# KiCad board panel_mousebites.kicad_pcb
title: Current Sense Amplifier; date: 2023-02-27; rev: A; company: Designed by Tobias N.; note: - Current Sense Amplifier -
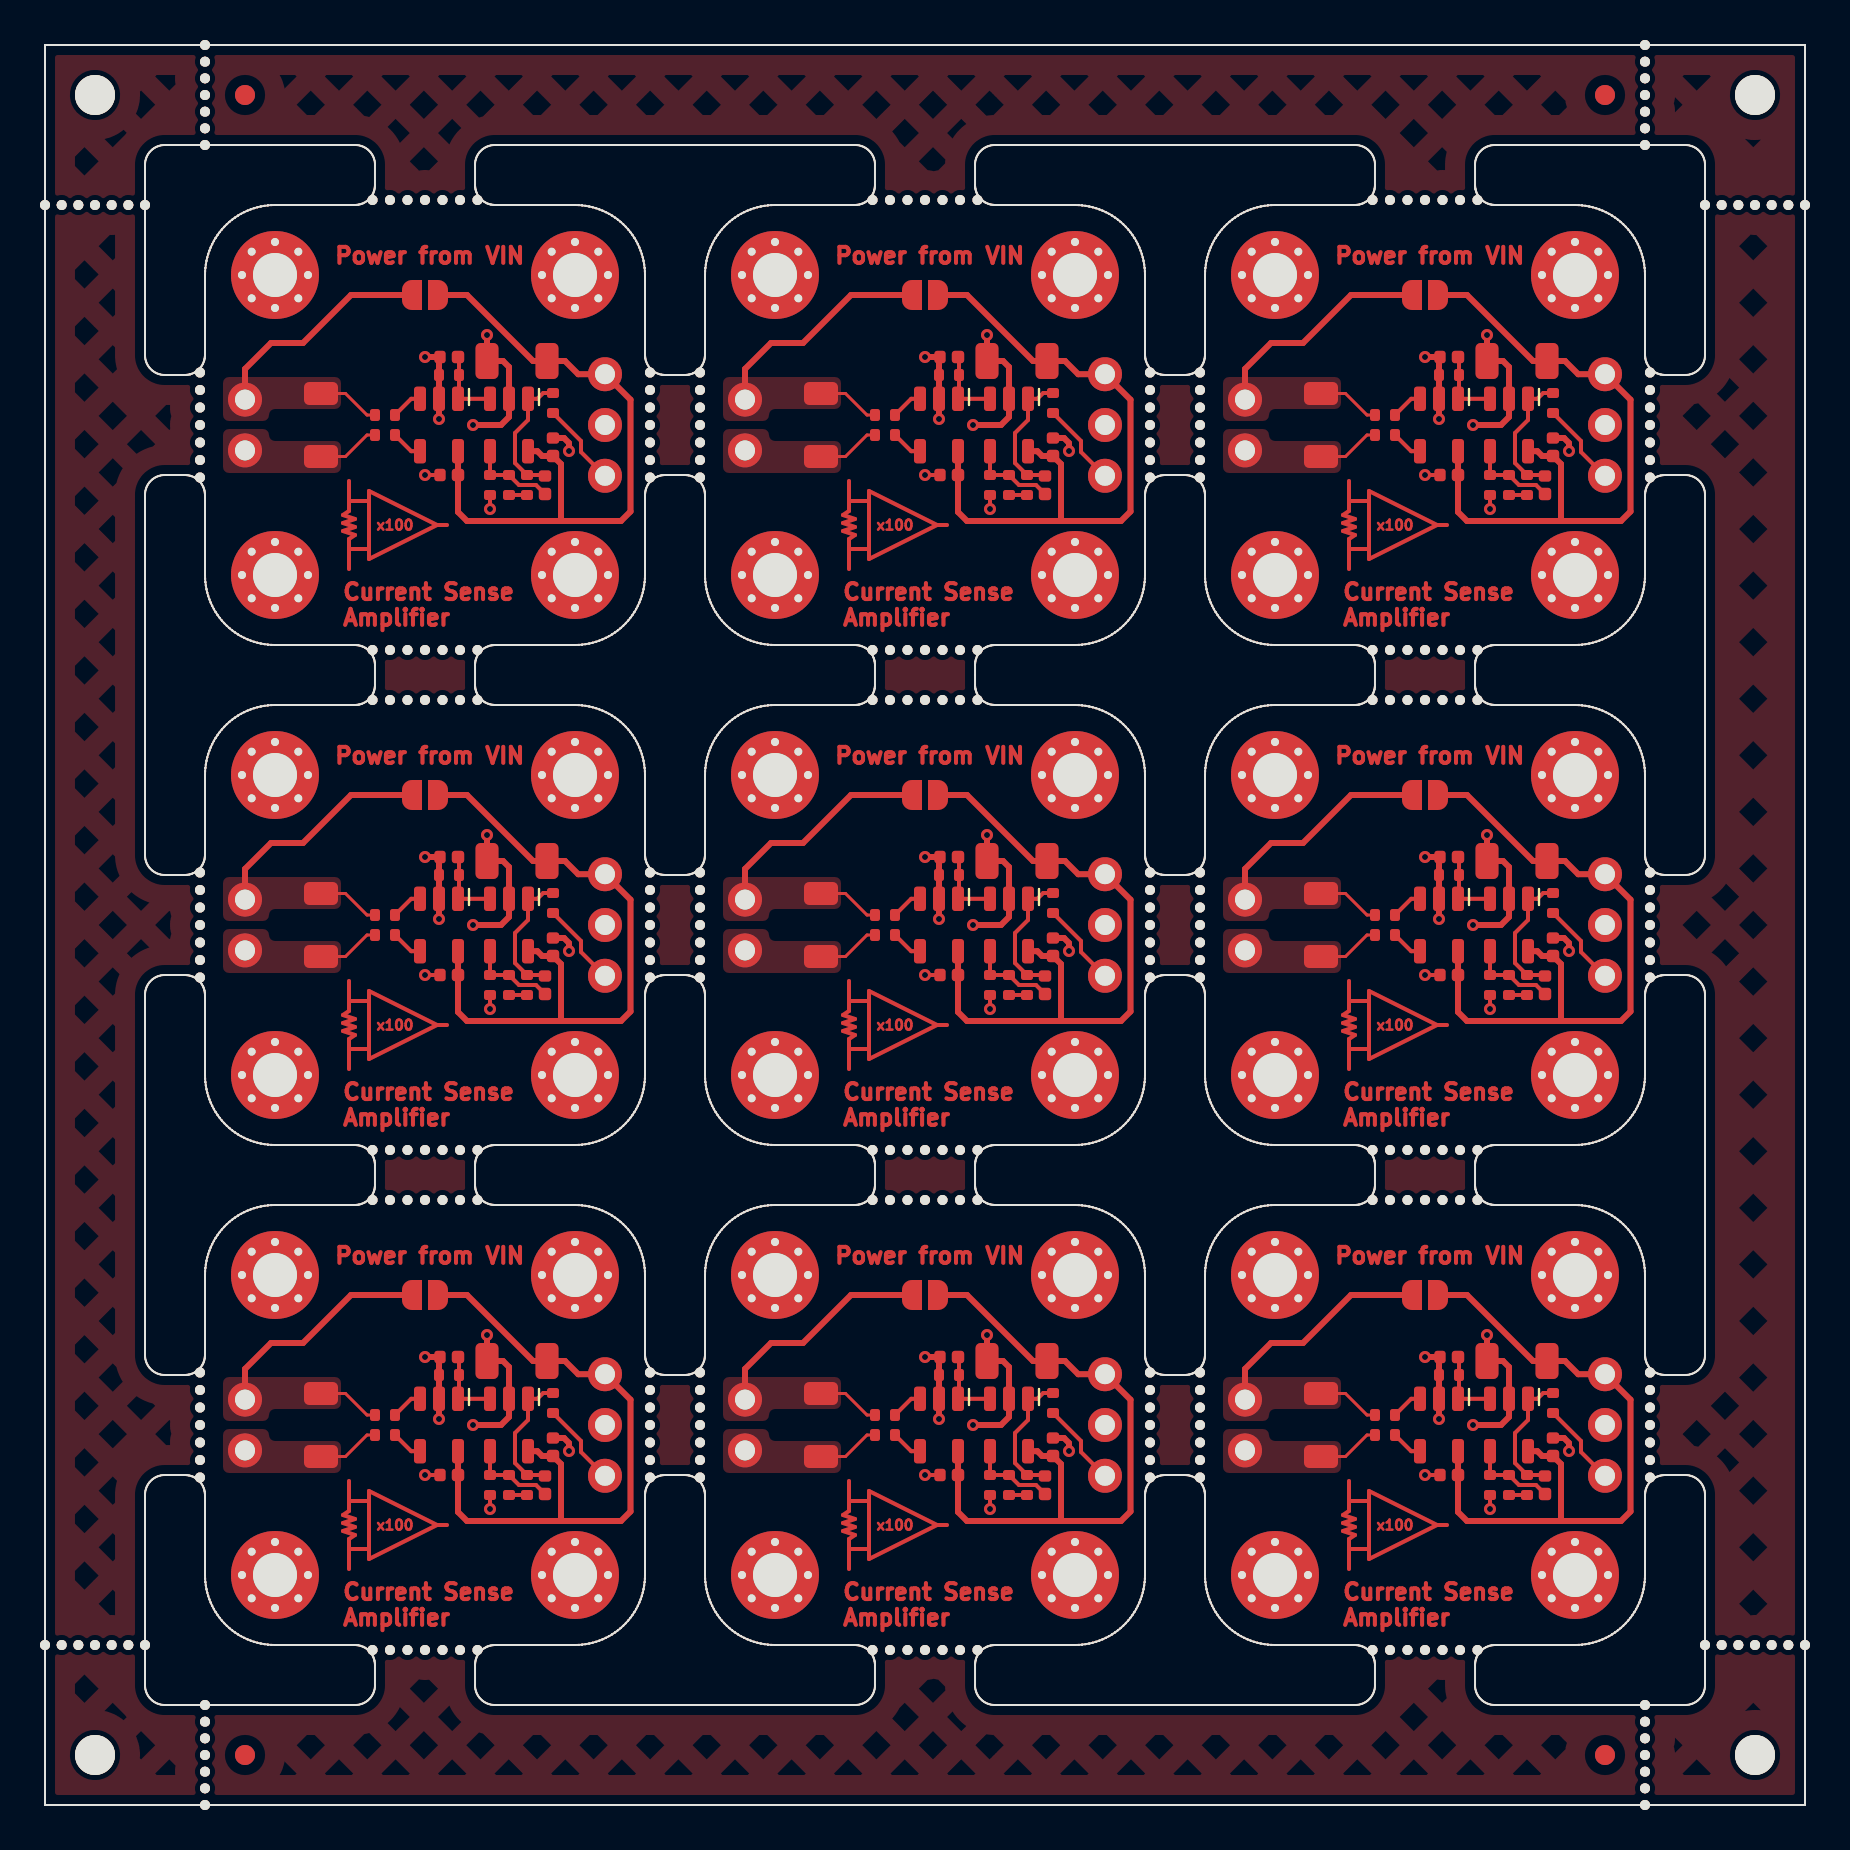
[diagram p0: board, top side]
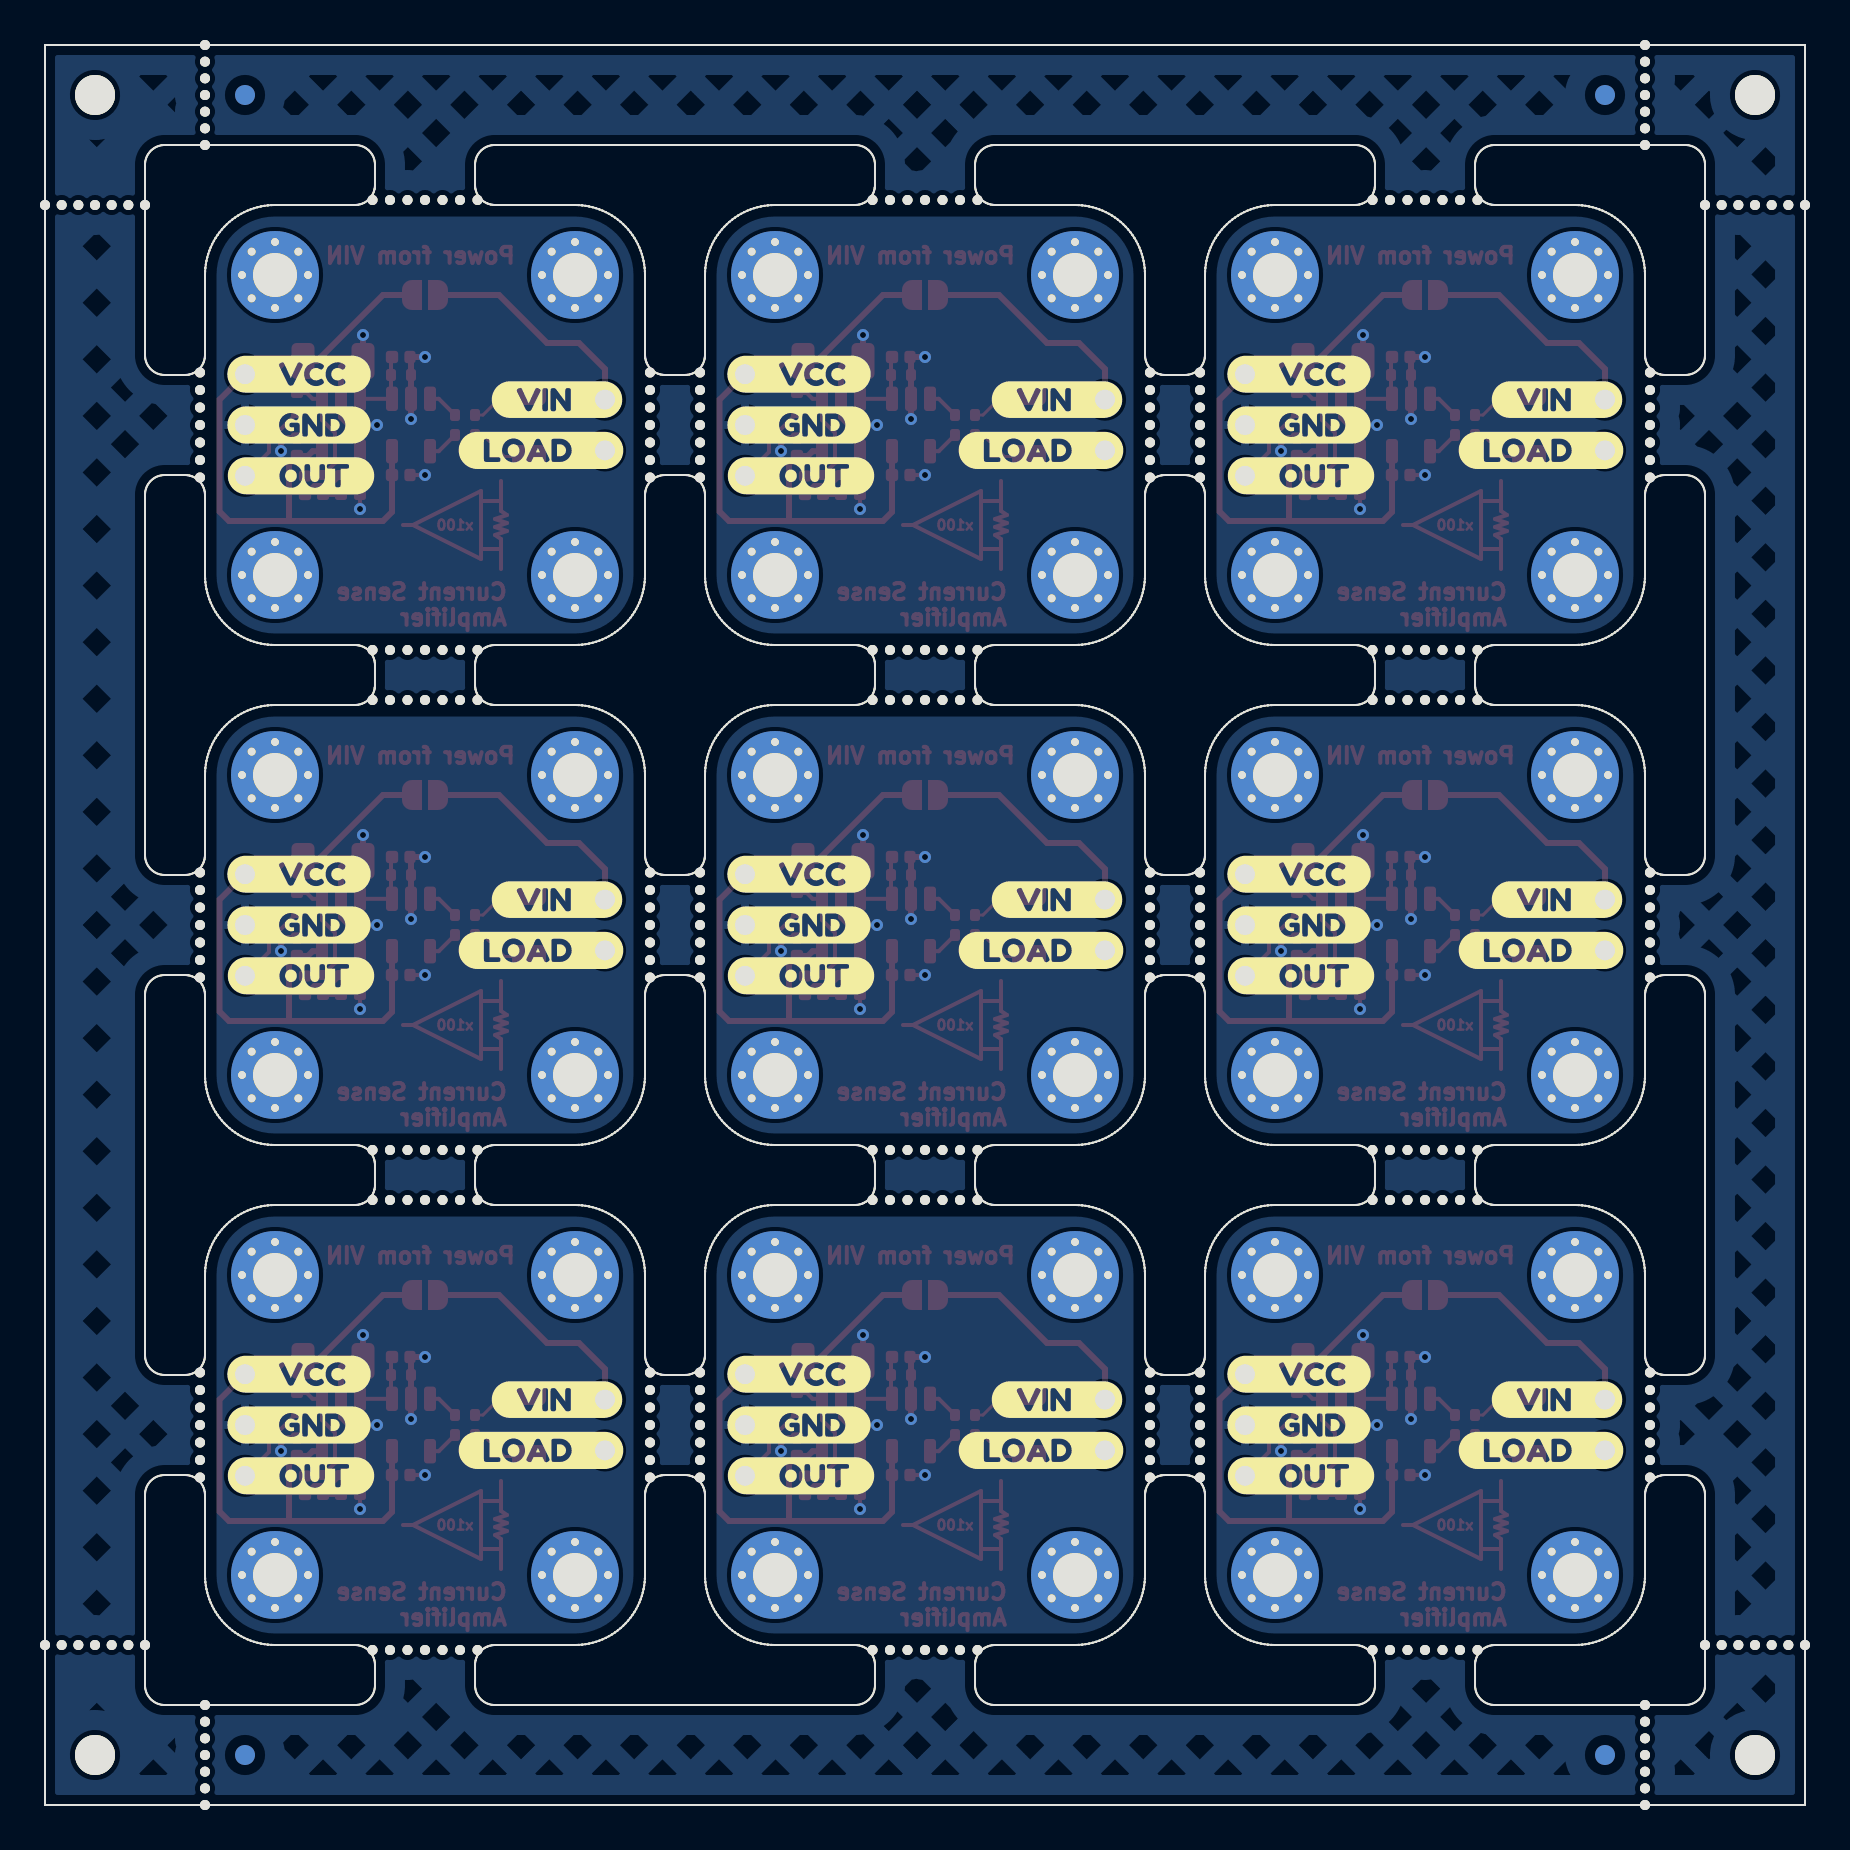
[diagram p1: board, bottom side, seen from below]

Outline 88 x 88 mm; copper layers: Top, Bottom. Coordinates in mm from the lower left corner of the outline.
Stack: Top 0.035mm / dielectric 1.51mm FR4 er 4.5 / Bottom 0.035mm

## Placement (name value [footprint] x y rotation side)
C1  2.2uF  [C_1206_(3216_Metric)]  73.6 47.2 180 top
C1#2  2.2uF  [C_1206_(3216_Metric)]  23.6 72.2 180 top
C1#3  2.2uF  [C_1206_(3216_Metric)]  48.6 22.2 180 top
C1#4  2.2uF  [C_1206_(3216_Metric)]  48.6 72.2 180 top
C1#5  2.2uF  [C_1206_(3216_Metric)]  73.6 72.2 180 top
C1#6  2.2uF  [C_1206_(3216_Metric)]  73.6 22.2 180 top
C1#7  2.2uF  [C_1206_(3216_Metric)]  48.6 47.2 180 top
C1#8  2.2uF  [C_1206_(3216_Metric)]  23.6 22.2 180 top
C1#9  2.2uF  [C_1206_(3216_Metric)]  23.6 47.2 180 top
C2  100nF  [C_0402_(1005_Metric)]  20.2 66.5 180 top
C2#2  100nF  [C_0402_(1005_Metric)]  45.2 41.5 180 top
C2#3  100nF  [C_0402_(1005_Metric)]  45.2 16.5 180 top
C2#4  100nF  [C_0402_(1005_Metric)]  70.2 41.5 180 top
C2#5  100nF  [C_0402_(1005_Metric)]  20.2 41.5 180 top
C2#6  100nF  [C_0402_(1005_Metric)]  20.2 16.5 180 top
C2#7  100nF  [C_0402_(1005_Metric)]  70.2 16.5 180 top
C2#8  100nF  [C_0402_(1005_Metric)]  70.2 66.5 180 top
C2#9  100nF  [C_0402_(1005_Metric)]  45.2 66.5 180 top
C3  100nF  [C_0402_(1005_Metric)]  50.4 42.9 90 top
C3#2  100nF  [C_0402_(1005_Metric)]  25.4 67.9 90 top
C3#3  100nF  [C_0402_(1005_Metric)]  25.4 42.9 90 top
C3#4  100nF  [C_0402_(1005_Metric)]  75.4 67.9 90 top
C3#5  100nF  [C_0402_(1005_Metric)]  75.4 17.9 90 top
C3#6  100nF  [C_0402_(1005_Metric)]  75.4 42.9 90 top
C3#7  100nF  [C_0402_(1005_Metric)]  25.4 17.9 90 top
C3#8  100nF  [C_0402_(1005_Metric)]  50.4 17.9 90 top
C3#9  100nF  [C_0402_(1005_Metric)]  50.4 67.9 90 top
C4  22pF  [C_0402_(1005_Metric)]  25 41 90 top
C4#2  22pF  [C_0402_(1005_Metric)]  25 66 90 top
C4#3  22pF  [C_0402_(1005_Metric)]  50 66 90 top
C4#4  22pF  [C_0402_(1005_Metric)]  75 66 90 top
C4#5  22pF  [C_0402_(1005_Metric)]  75 41 90 top
C4#6  22pF  [C_0402_(1005_Metric)]  75 16 90 top
C4#7  22pF  [C_0402_(1005_Metric)]  50 41 90 top
C4#8  22pF  [C_0402_(1005_Metric)]  25 16 90 top
C4#9  22pF  [C_0402_(1005_Metric)]  50 16 90 top
C5  100nF  [C_0402_(1005_Metric)]  45.2 22.4 180 top
C5#2  100nF  [C_0402_(1005_Metric)]  45.2 72.4 180 top
C5#3  100nF  [C_0402_(1005_Metric)]  70.2 47.4 180 top
C5#4  100nF  [C_0402_(1005_Metric)]  70.2 72.4 180 top
C5#5  100nF  [C_0402_(1005_Metric)]  20.2 72.4 180 top
C5#6  100nF  [C_0402_(1005_Metric)]  70.2 22.4 180 top
C5#7  100nF  [C_0402_(1005_Metric)]  20.2 47.4 180 top
C5#8  100nF  [C_0402_(1005_Metric)]  20.2 22.4 180 top
C5#9  100nF  [C_0402_(1005_Metric)]  45.2 47.4 180 top
H1  MountingHole  [MountingHole_M2]  61.5 61.5 0 top
H1#2  MountingHole  [MountingHole_M2]  36.5 61.5 0 top
H1#3  MountingHole  [MountingHole_M2]  61.5 36.5 0 top
H1#4  MountingHole  [MountingHole_M2]  36.5 11.5 0 top
H1#5  MountingHole  [MountingHole_M2]  36.5 36.5 0 top
H1#6  MountingHole  [MountingHole_M2]  11.5 61.5 0 top
H1#7  MountingHole  [MountingHole_M2]  11.5 36.5 0 top
H1#8  MountingHole  [MountingHole_M2]  61.5 11.5 0 top
H1#9  MountingHole  [MountingHole_M2]  11.5 11.5 0 top
H2  MountingHole  [MountingHole_M2]  36.5 26.5 0 top
H2#2  MountingHole  [MountingHole_M2]  61.5 76.5 0 top
H2#3  MountingHole  [MountingHole_M2]  11.5 51.5 0 top
H2#4  MountingHole  [MountingHole_M2]  11.5 26.5 0 top
H2#5  MountingHole  [MountingHole_M2]  61.5 51.5 0 top
H2#6  MountingHole  [MountingHole_M2]  11.5 76.5 0 top
H2#7  MountingHole  [MountingHole_M2]  36.5 51.5 0 top
H2#8  MountingHole  [MountingHole_M2]  36.5 76.5 0 top
H2#9  MountingHole  [MountingHole_M2]  61.5 26.5 0 top
H3  MountingHole  [MountingHole_M2]  51.5 51.5 0 top
H3#2  MountingHole  [MountingHole_M2]  76.5 51.5 0 top
H3#3  MountingHole  [MountingHole_M2]  76.5 26.5 0 top
H3#4  MountingHole  [MountingHole_M2]  26.5 26.5 0 top
H3#5  MountingHole  [MountingHole_M2]  26.5 76.5 0 top
H3#6  MountingHole  [MountingHole_M2]  51.5 76.5 0 top
H3#7  MountingHole  [MountingHole_M2]  51.5 26.5 0 top
H3#8  MountingHole  [MountingHole_M2]  26.5 51.5 0 top
H3#9  MountingHole  [MountingHole_M2]  76.5 76.5 0 top
H4  MountingHole  [MountingHole_M2]  51.5 61.5 0 top
H4#2  MountingHole  [MountingHole_M2]  51.5 36.5 0 top
H4#3  MountingHole  [MountingHole_M2]  26.5 11.5 0 top
H4#4  MountingHole  [MountingHole_M2]  26.5 61.5 0 top
H4#5  MountingHole  [MountingHole_M2]  26.5 36.5 0 top
H4#6  MountingHole  [MountingHole_M2]  76.5 11.5 0 top
H4#7  MountingHole  [MountingHole_M2]  51.5 11.5 0 top
H4#8  MountingHole  [MountingHole_M2]  76.5 36.5 0 top
H4#9  MountingHole  [MountingHole_M2]  76.5 61.5 0 top
J1  Header_1x03_P2.54  [PinHeader_1x02_P2.54mm_Vertical]  10 20.27 0 top
J1#2  Header_1x03_P2.54  [PinHeader_1x02_P2.54mm_Vertical]  60 70.27 0 top
J1#3  Header_1x03_P2.54  [PinHeader_1x02_P2.54mm_Vertical]  60 45.27 0 top
J1#4  Header_1x03_P2.54  [PinHeader_1x02_P2.54mm_Vertical]  35 20.27 0 top
J1#5  Header_1x03_P2.54  [PinHeader_1x02_P2.54mm_Vertical]  10 45.27 0 top
J1#6  Header_1x03_P2.54  [PinHeader_1x02_P2.54mm_Vertical]  60 20.27 0 top
J1#7  Header_1x03_P2.54  [PinHeader_1x02_P2.54mm_Vertical]  10 70.27 0 top
J1#8  Header_1x03_P2.54  [PinHeader_1x02_P2.54mm_Vertical]  35 70.27 0 top
J1#9  Header_1x03_P2.54  [PinHeader_1x02_P2.54mm_Vertical]  35 45.27 0 top
J2  Header_1x03_P2.54  [PinHeader_1x03_P2.54mm_Vertical]  28 21.54 0 top
J2#2  Header_1x03_P2.54  [PinHeader_1x03_P2.54mm_Vertical]  28 46.54 0 top
J2#3  Header_1x03_P2.54  [PinHeader_1x03_P2.54mm_Vertical]  53 71.54 0 top
J2#4  Header_1x03_P2.54  [PinHeader_1x03_P2.54mm_Vertical]  78 46.54 0 top
J2#5  Header_1x03_P2.54  [PinHeader_1x03_P2.54mm_Vertical]  78 71.54 0 top
J2#6  Header_1x03_P2.54  [PinHeader_1x03_P2.54mm_Vertical]  53 46.54 0 top
J2#7  Header_1x03_P2.54  [PinHeader_1x03_P2.54mm_Vertical]  28 71.54 0 top
J2#8  Header_1x03_P2.54  [PinHeader_1x03_P2.54mm_Vertical]  53 21.54 0 top
J2#9  Header_1x03_P2.54  [PinHeader_1x03_P2.54mm_Vertical]  78 21.54 0 top
JP1  SolderJumper_2  [SolderJumper-2]  44 25.5 0 top
JP1#2  SolderJumper_2  [SolderJumper-2]  19 75.5 0 top
JP1#3  SolderJumper_2  [SolderJumper-2]  19 25.5 0 top
JP1#4  SolderJumper_2  [SolderJumper-2]  69 75.5 0 top
JP1#5  SolderJumper_2  [SolderJumper-2]  19 50.5 0 top
JP1#6  SolderJumper_2  [SolderJumper-2]  69 25.5 0 top
JP1#7  SolderJumper_2  [SolderJumper-2]  69 50.5 0 top
JP1#8  SolderJumper_2  [SolderJumper-2]  44 75.5 0 top
JP1#9  SolderJumper_2  [SolderJumper-2]  44 50.5 0 top
kibuzzard-64025D5B  G***  [kibuzzard-64025D5B]  50.3 69 180 bottom
kibuzzard-64025D5B#2  G***  [kibuzzard-64025D5B]  25.3 69 180 bottom
kibuzzard-64025D5B#3  G***  [kibuzzard-64025D5B]  75.3 19 180 bottom
kibuzzard-64025D5B#4  G***  [kibuzzard-64025D5B]  25.3 19 180 bottom
kibuzzard-64025D5B#5  G***  [kibuzzard-64025D5B]  75.3 44 180 bottom
kibuzzard-64025D5B#6  G***  [kibuzzard-64025D5B]  50.3 19 180 bottom
kibuzzard-64025D5B#7  G***  [kibuzzard-64025D5B]  25.3 44 180 bottom
kibuzzard-64025D5B#8  G***  [kibuzzard-64025D5B]  50.3 44 180 bottom
kibuzzard-64025D5B#9  G***  [kibuzzard-64025D5B]  75.3 69 180 bottom
kibuzzard-64025D53  G***  [kibuzzard-64025D53]  75.3 46.54 180 bottom
kibuzzard-64025D53#2  G***  [kibuzzard-64025D53]  50.3 46.54 180 bottom
kibuzzard-64025D53#3  G***  [kibuzzard-64025D53]  25.3 21.54 180 bottom
kibuzzard-64025D53#4  G***  [kibuzzard-64025D53]  50.3 71.54 180 bottom
kibuzzard-64025D53#5  G***  [kibuzzard-64025D53]  75.3 21.54 180 bottom
kibuzzard-64025D53#6  G***  [kibuzzard-64025D53]  75.3 71.54 180 bottom
kibuzzard-64025D53#7  G***  [kibuzzard-64025D53]  50.3 21.54 180 bottom
kibuzzard-64025D53#8  G***  [kibuzzard-64025D53]  25.3 71.54 180 bottom
kibuzzard-64025D53#9  G***  [kibuzzard-64025D53]  25.3 46.54 180 bottom
kibuzzard-64025D67  G***  [kibuzzard-64025D67]  50.2 66.46 180 bottom
kibuzzard-64025D67#2  G***  [kibuzzard-64025D67]  75.2 66.46 180 bottom
kibuzzard-64025D67#3  G***  [kibuzzard-64025D67]  25.2 41.46 180 bottom
kibuzzard-64025D67#4  G***  [kibuzzard-64025D67]  25.2 66.46 180 bottom
kibuzzard-64025D67#5  G***  [kibuzzard-64025D67]  50.2 16.46 180 bottom
kibuzzard-64025D67#6  G***  [kibuzzard-64025D67]  75.2 16.46 180 bottom
kibuzzard-64025D67#7  G***  [kibuzzard-64025D67]  75.2 41.46 180 bottom
kibuzzard-64025D67#8  G***  [kibuzzard-64025D67]  25.2 16.46 180 bottom
kibuzzard-64025D67#9  G***  [kibuzzard-64025D67]  50.2 41.46 180 bottom
kibuzzard-64027212  G***  [kibuzzard-64027212]  37.4 70.27 180 bottom
kibuzzard-64027212#2  G***  [kibuzzard-64027212]  12.4 20.27 180 bottom
kibuzzard-64027212#3  G***  [kibuzzard-64027212]  62.4 20.27 180 bottom
kibuzzard-64027212#4  G***  [kibuzzard-64027212]  62.4 45.27 180 bottom
kibuzzard-64027212#5  G***  [kibuzzard-64027212]  12.4 70.27 180 bottom
kibuzzard-64027212#6  G***  [kibuzzard-64027212]  62.4 70.27 180 bottom
kibuzzard-64027212#7  G***  [kibuzzard-64027212]  37.4 45.27 180 bottom
kibuzzard-64027212#8  G***  [kibuzzard-64027212]  12.4 45.27 180 bottom
kibuzzard-64027212#9  G***  [kibuzzard-64027212]  37.4 20.27 180 bottom
kibuzzard-64027225  G***  [kibuzzard-64027225]  38.2 67.73 180 bottom
kibuzzard-64027225#2  G***  [kibuzzard-64027225]  63.2 67.73 180 bottom
kibuzzard-64027225#3  G***  [kibuzzard-64027225]  13.2 42.73 180 bottom
kibuzzard-64027225#4  G***  [kibuzzard-64027225]  63.2 17.73 180 bottom
kibuzzard-64027225#5  G***  [kibuzzard-64027225]  63.2 42.73 180 bottom
kibuzzard-64027225#6  G***  [kibuzzard-64027225]  13.2 17.73 180 bottom
kibuzzard-64027225#7  G***  [kibuzzard-64027225]  38.2 17.73 180 bottom
kibuzzard-64027225#8  G***  [kibuzzard-64027225]  38.2 42.73 180 bottom
kibuzzard-64027225#9  G***  [kibuzzard-64027225]  13.2 67.73 180 bottom
R1  1R 0.1%  [R_1206_(3216_Metric)]  13.8 19 270 top
R1#2  1R 0.1%  [R_1206_(3216_Metric)]  38.8 44 270 top
R1#3  1R 0.1%  [R_1206_(3216_Metric)]  63.8 69 270 top
R1#4  1R 0.1%  [R_1206_(3216_Metric)]  38.8 69 270 top
R1#5  1R 0.1%  [R_1206_(3216_Metric)]  63.8 44 270 top
R1#6  1R 0.1%  [R_1206_(3216_Metric)]  38.8 19 270 top
R1#7  1R 0.1%  [R_1206_(3216_Metric)]  13.8 69 270 top
R1#8  1R 0.1%  [R_1206_(3216_Metric)]  63.8 19 270 top
R1#9  1R 0.1%  [R_1206_(3216_Metric)]  13.8 44 270 top
R2  100R 0.05%  [R_0402_(1005_Metric)]  17 44.5 0 top
R2#2  100R 0.05%  [R_0402_(1005_Metric)]  42 44.5 0 top
R2#3  100R 0.05%  [R_0402_(1005_Metric)]  67 44.5 0 top
R2#4  100R 0.05%  [R_0402_(1005_Metric)]  17 69.5 0 top
R2#5  100R 0.05%  [R_0402_(1005_Metric)]  17 19.5 0 top
R2#6  100R 0.05%  [R_0402_(1005_Metric)]  42 19.5 0 top
R2#7  100R 0.05%  [R_0402_(1005_Metric)]  67 69.5 0 top
R2#8  100R 0.05%  [R_0402_(1005_Metric)]  67 19.5 0 top
R2#9  100R 0.05%  [R_0402_(1005_Metric)]  42 69.5 0 top
R3  100R 0.05%  [R_0402_(1005_Metric)]  67 68.5 0 top
R3#2  100R 0.05%  [R_0402_(1005_Metric)]  17 68.5 0 top
R3#3  100R 0.05%  [R_0402_(1005_Metric)]  17 18.5 0 top
R3#4  100R 0.05%  [R_0402_(1005_Metric)]  67 43.5 0 top
R3#5  100R 0.05%  [R_0402_(1005_Metric)]  42 43.5 0 top
R3#6  100R 0.05%  [R_0402_(1005_Metric)]  67 18.5 0 top
R3#7  100R 0.05%  [R_0402_(1005_Metric)]  42 18.5 0 top
R3#8  100R 0.05%  [R_0402_(1005_Metric)]  42 68.5 0 top
R3#9  100R 0.05%  [R_0402_(1005_Metric)]  17 43.5 0 top
R4  1k 0.05%  [R_0402_(1005_Metric)]  70.2 46.5 0 top
R4#2  1k 0.05%  [R_0402_(1005_Metric)]  45.2 71.5 0 top
R4#3  1k 0.05%  [R_0402_(1005_Metric)]  70.2 21.5 0 top
R4#4  1k 0.05%  [R_0402_(1005_Metric)]  70.2 71.5 0 top
R4#5  1k 0.05%  [R_0402_(1005_Metric)]  45.2 21.5 0 top
R4#6  1k 0.05%  [R_0402_(1005_Metric)]  45.2 46.5 0 top
R4#7  1k 0.05%  [R_0402_(1005_Metric)]  20.2 46.5 0 top
R4#8  1k 0.05%  [R_0402_(1005_Metric)]  20.2 71.5 0 top
R4#9  1k 0.05%  [R_0402_(1005_Metric)]  20.2 21.5 0 top
R5  1k 0.05%  [R_0402_(1005_Metric)]  22.25 16 90 top
R5#2  1k 0.05%  [R_0402_(1005_Metric)]  47.25 41 90 top
R5#3  1k 0.05%  [R_0402_(1005_Metric)]  72.25 41 90 top
R5#4  1k 0.05%  [R_0402_(1005_Metric)]  47.25 66 90 top
R5#5  1k 0.05%  [R_0402_(1005_Metric)]  22.25 41 90 top
R5#6  1k 0.05%  [R_0402_(1005_Metric)]  47.25 16 90 top
R5#7  1k 0.05%  [R_0402_(1005_Metric)]  72.25 16 90 top
R5#8  1k 0.05%  [R_0402_(1005_Metric)]  22.25 66 90 top
R5#9  1k 0.05%  [R_0402_(1005_Metric)]  72.25 66 90 top
R6  6k8 0.05%  [R_0402_(1005_Metric)]  48.2 16 270 top
R6#2  6k8 0.05%  [R_0402_(1005_Metric)]  48.2 66 270 top
R6#3  6k8 0.05%  [R_0402_(1005_Metric)]  73.2 66 270 top
R6#4  6k8 0.05%  [R_0402_(1005_Metric)]  23.2 41 270 top
R6#5  6k8 0.05%  [R_0402_(1005_Metric)]  73.2 16 270 top
R6#6  6k8 0.05%  [R_0402_(1005_Metric)]  23.2 16 270 top
R6#7  6k8 0.05%  [R_0402_(1005_Metric)]  48.2 41 270 top
R6#8  6k8 0.05%  [R_0402_(1005_Metric)]  23.2 66 270 top
R6#9  6k8 0.05%  [R_0402_(1005_Metric)]  73.2 41 270 top
R7  2k2 0.05%  [R_0402_(1005_Metric)]  49.1 66 90 top
R7#2  2k2 0.05%  [R_0402_(1005_Metric)]  49.1 41 90 top
R7#3  2k2 0.05%  [R_0402_(1005_Metric)]  24.1 66 90 top
R7#4  2k2 0.05%  [R_0402_(1005_Metric)]  74.1 66 90 top
R7#5  2k2 0.05%  [R_0402_(1005_Metric)]  74.1 16 90 top
R7#6  2k2 0.05%  [R_0402_(1005_Metric)]  74.1 41 90 top
R7#7  2k2 0.05%  [R_0402_(1005_Metric)]  24.1 41 90 top
R7#8  2k2 0.05%  [R_0402_(1005_Metric)]  24.1 16 90 top
R7#9  2k2 0.05%  [R_0402_(1005_Metric)]  49.1 16 90 top
R8  220R  [R_0402_(1005_Metric)]  75.4 45.1 270 top
R8#2  220R  [R_0402_(1005_Metric)]  75.4 70.1 270 top
R8#3  220R  [R_0402_(1005_Metric)]  50.4 70.1 270 top
R8#4  220R  [R_0402_(1005_Metric)]  75.4 20.1 270 top
R8#5  220R  [R_0402_(1005_Metric)]  25.4 45.1 270 top
R8#6  220R  [R_0402_(1005_Metric)]  25.4 70.1 270 top
R8#7  220R  [R_0402_(1005_Metric)]  25.4 20.1 270 top
R8#8  220R  [R_0402_(1005_Metric)]  50.4 20.1 270 top
R8#9  220R  [R_0402_(1005_Metric)]  50.4 45.1 270 top
REF**  -  [NPTH]  83.83 8 0 top
REF**#2  -  [NPTH]  19 57.75 0 top
REF**#3  -  [NPTH]  20.75 7.75 0 top
REF**#4  -  [NPTH]  46.63 57.75 0 top
REF**#5  -  [NPTH]  19.88 57.75 0 top
REF**#6  -  [NPTH]  67.25 80.25 0 top
REF**#7  -  [NPTH]  32.75 44 0 top
REF**#8  -  [NPTH]  4.17 8 0 top
REF**#9  -  [NPTH]  3.33 8 0 top
REF**#10  -  [NPTH]  87.17 8 0 top
REF**#11  -  [NPTH]  46.63 30.25 0 top
REF**#12  -  [NPTH]  7.75 69.88 0 top
REF**#13  -  [NPTH]  69 7.75 0 top
REF**#14  -  [NPTH]  57.75 20.75 0 top
REF**#15  -  [NPTH]  57.75 68.12 0 top
REF**#16  -  [NPTH]  32.75 46.63 0 top
REF**#17  -  [NPTH]  55.25 19.88 0 top
REF**#18  -  [NPTH]  42.25 32.75 0 top
REF**#19  -  [NPTH]  67.25 7.75 0 top
REF**#20  -  [NPTH]  57.75 71.63 0 top
REF**#21  -  [NPTH]  80 83 0 top
REF**#22  -  [NPTH]  80.25 43.12 0 top
REF**#23  -  [NPTH]  43.12 80.25 0 top
REF**#24  -  [NPTH]  57.75 45.75 0 top
REF**#25  -  [NPTH]  86.33 8 0 top
REF**#26  -  [NPTH]  42.25 80.25 0 top
REF**#27  -  [NPTH]  80.25 16.37 0 top
REF**#28  -  [NPTH]  71.63 80.25 0 top
REF**#29  -  [NPTH]  0 80 0 top
REF**#30  -  [NPTH]  32.75 68.12 0 top
REF**#31  -  [NPTH]  30.25 42.25 0 top
REF**#32  -  [NPTH]  18.12 30.25 0 top
REF**#33  -  [NPTH]  80 87.17 0 top
REF**#34  -  [NPTH]  68.12 32.75 0 top
REF**#35  -  [NPTH]  30.25 19 0 top
REF**#36  -  [NPTH]  57.75 19 0 top
REF**#37  -  [NPTH]  88 80 0 top
REF**#38  -  [NPTH]  70.75 80.25 0 top
REF**#39  -  [NPTH]  66.37 32.75 0 top
REF**#40  -  [NPTH]  16.37 7.75 0 top
REF**#41  -  [NPTH]  7.75 17.25 0 top
REF**#42  -  [NPTH]  80.25 68.12 0 top
REF**#43  -  [NPTH]  45.75 57.75 0 top
REF**#44  -  [NPTH]  32.75 44.88 0 top
REF**#45  -  [NPTH]  21.63 30.25 0 top
REF**#46  -  [NPTH]  2.5 80 0 top
REF**#47  -  [NPTH]  8 83 0 top
REF**#48  -  [NPTH]  7.75 16.37 0 top
REF**#49  -  [NPTH]  32.75 43.12 0 top
REF**#50  -  [NPTH]  80.25 45.75 0 top
REF**#51  -  [NPTH]  20.75 55.25 0 top
REF**#52  -  [NPTH]  55.25 67.25 0 top
REF**#53  -  [NPTH]  80.25 18.12 0 top
REF**#54  -  [NPTH]  57.75 44 0 top
REF**#55  -  [NPTH]  55.25 19 0 top
REF**#56  -  [NPTH]  30.25 69 0 top
REF**#57  -  [NPTH]  17.25 30.25 0 top
REF**#58  -  [NPTH]  8 84.67 0 top
REF**#59  -  [NPTH]  32.75 70.75 0 top
REF**#60  -  [NPTH]  44 55.25 0 top
REF**#61  -  [NPTH#2]  85.5 85.5 0 top
REF**#62  -  [NPTH]  32.75 69.88 0 top
REF**#63  -  [NPTH]  20.75 57.75 0 top
REF**#64  -  [NPTH]  80.25 19 0 top
REF**#65  -  [NPTH]  84.67 8 0 top
REF**#66  -  [NPTH]  69 30.25 0 top
REF**#67  -  [NPTH]  44 30.25 0 top
REF**#68  -  [NPTH]  69.88 55.25 0 top
REF**#69  -  [NPTH]  44.88 7.75 0 top
REF**#70  -  [NPTH]  16.37 57.75 0 top
REF**#71  -  [NPTH]  43.12 55.25 0 top
REF**#72  -  [NPTH]  88 8 0 top
REF**#73  -  [NPTH]  30.25 21.63 0 top
REF**#74  -  [NPTH]  30.25 46.63 0 top
REF**#75  -  [NPTH]  67.25 55.25 0 top
REF**#76  -  [NPTH]  32.75 17.25 0 top
REF**#77  -  [NPTH]  32.75 69 0 top
REF**#78  -  [NPTH]  44 32.75 0 top
REF**#79  -  [NPTH]  32.75 21.63 0 top
REF**#80  -  [NPTH]  55.25 21.63 0 top
REF**#81  -  [NPTH]  7.75 44.88 0 top
REF**#82  -  [NPTH]  57.75 43.12 0 top
REF**#83  -  [NPTH]  43.12 57.75 0 top
REF**#84  -  [Fiducial]  78 2.5 0 top
REF**#85  -  [NPTH]  55.25 44.88 0 top
REF**#86  -  [NPTH]  55.25 66.37 0 top
REF**#87  -  [NPTH]  80 86.33 0 top
REF**#88  -  [NPTH]  0.83 80 0 top
REF**#89  -  [NPTH]  57.75 41.37 0 top
REF**#90  -  [NPTH]  69.88 30.25 0 top
REF**#91  -  [NPTH]  21.63 57.75 0 top
REF**#92  -  [NPTH]  7.75 43.12 0 top
REF**#93  -  [NPTH]  43.12 32.75 0 top
REF**#94  -  [NPTH]  7.75 68.12 0 top
REF**#95  -  [NPTH]  7.75 45.75 0 top
REF**#96  -  [NPTH]  17.25 80.25 0 top
REF**#97  -  [NPTH]  3.33 80 0 top
REF**#98  -  [NPTH]  80 3.33 0 top
REF**#99  -  [NPTH]  66.37 57.75 0 top
REF**#100  -  [NPTH]  7.75 67.25 0 top
REF**#101  -  [NPTH]  80.25 46.63 0 top
REF**#102  -  [Fiducial]  10 85.5 0 top
REF**#103  -  [NPTH]  18.12 32.75 0 top
REF**#104  -  [NPTH]  19 32.75 0 top
REF**#105  -  [NPTH]  7.75 18.12 0 top
REF**#106  -  [NPTH]  68.12 57.75 0 top
REF**#107  -  [NPTH]  46.63 80.25 0 top
REF**#108  -  [NPTH]  68.12 80.25 0 top
REF**#109  -  [NPTH]  30.25 44.88 0 top
REF**#110  -  [NPTH]  80.25 69.88 0 top
REF**#111  -  [NPTH]  7.75 46.63 0 top
REF**#112  -  [NPTH]  85.5 80 0 top
REF**#113  -  [NPTH]  55.25 70.75 0 top
REF**#114  -  [NPTH]  5 8 0 top
REF**#115  -  [NPTH]  57.75 70.75 0 top
REF**#116  -  [NPTH]  32.75 19.88 0 top
REF**#117  -  [NPTH]  80.25 71.63 0 top
REF**#118  -  [NPTH]  80.25 20.75 0 top
REF**#119  -  [NPTH]  67.25 30.25 0 top
REF**#120  -  [NPTH#2]  2.5 2.5 0 top
REF**#121  -  [NPTH]  30.25 41.37 0 top
REF**#122  -  [NPTH]  55.25 17.25 0 top
REF**#123  -  [NPTH]  1.67 8 0 top
REF**#124  -  [NPTH]  80.25 17.25 0 top
REF**#125  -  [NPTH]  5 80 0 top
REF**#126  -  [NPTH]  71.63 32.75 0 top
REF**#127  -  [NPTH]  80 88 0 top
REF**#128  -  [NPTH]  30.25 44 0 top